# Altium PCB MB1367C-for mechanical-drawing.PcbDoc (part 3 of 5)
Units mm, origin at the board's own origin, x right, y up, seen from the top; angles counter-clockwise.
Board outline 70 x 82.5 mm, 4 copper layers (Top Layer, Signal Layer 1, Signal Layer 2, Bottom Layer), stack 1.614 mm thick; 191 components, 143 nets, 808 pads, 920 vias.
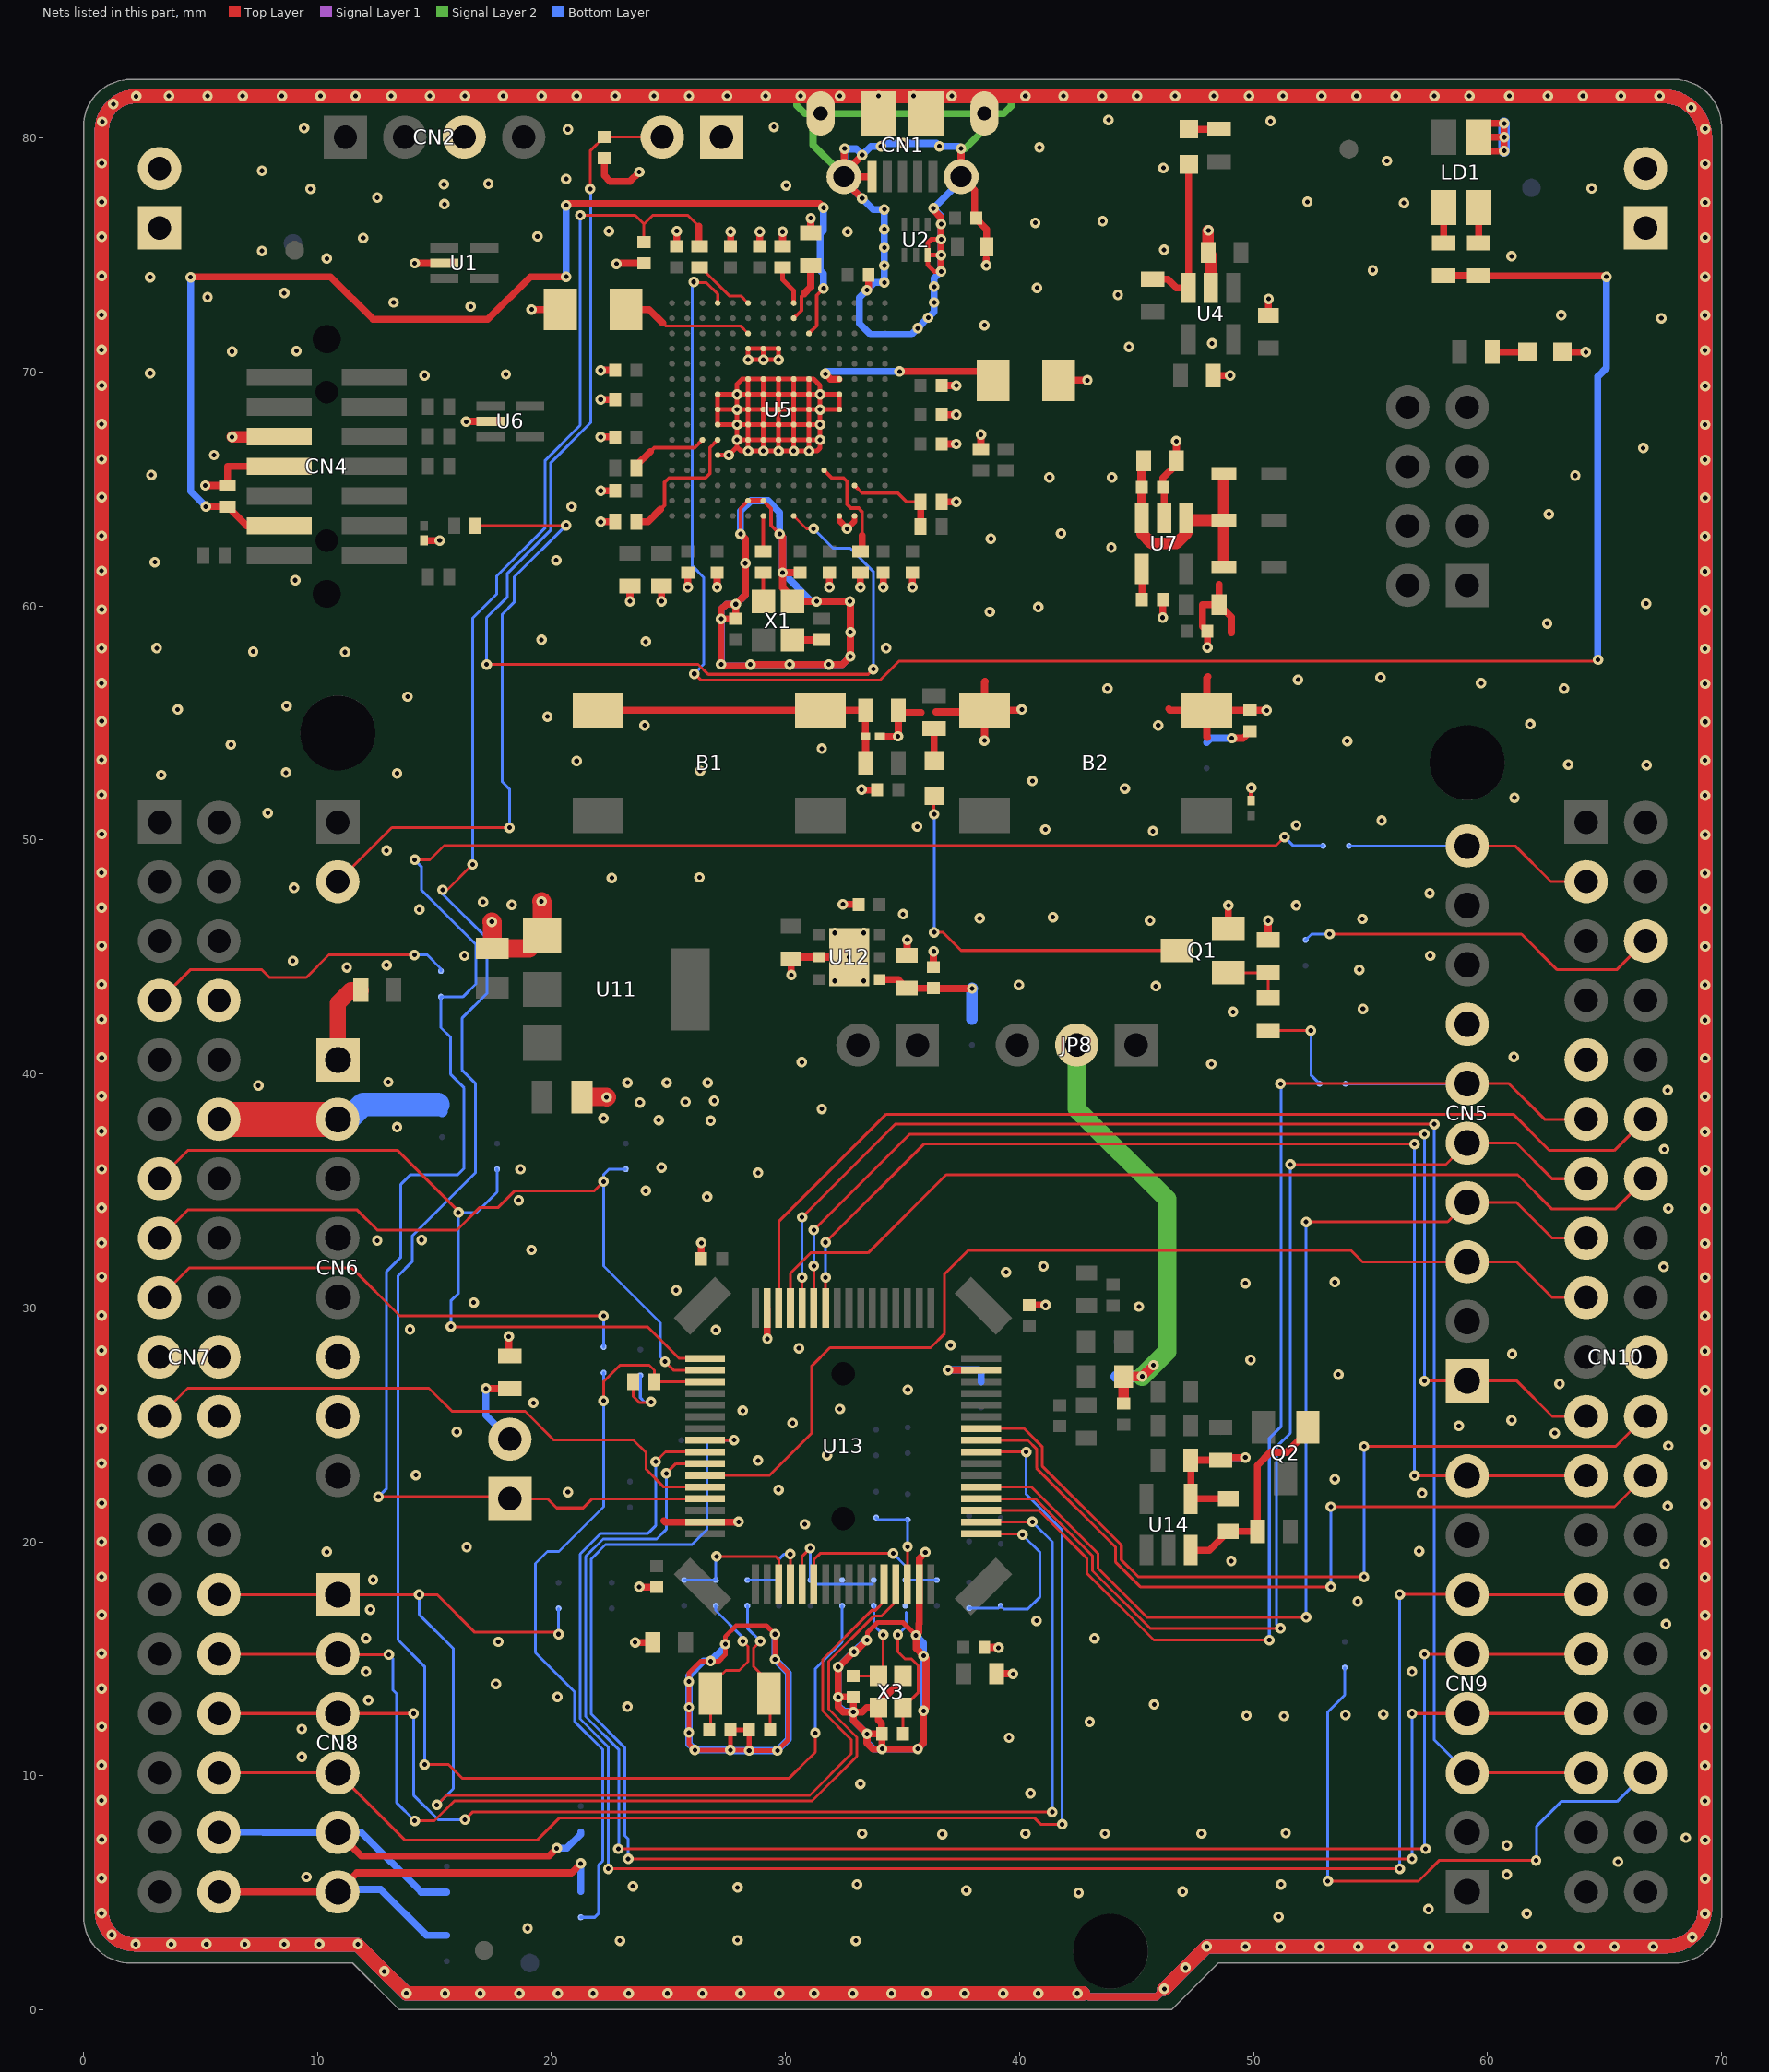
[diagram p5: the nets of this part, all layers, seen from the top]

## Via types
v1: diameter 0.45, hole 0.2, Top Layer to Bottom Layer, tented both sides, 920 vias

## Nets (pads, with @x,y where several pads share a name; then routed paths per layer and width w, separated by ;. In a path a pad name is that pad's centre, name@x,y a point inside that pad or via, vN(x,y) a via of type N, cw(c..) or ccw(c..) an arc to the next point about the centre after c; other vN are vias at no path point) (continued)
GND: B2.3 B2.4 C1.1 C2.1 C3.1 C4.1 C5.1 C6.1 C7.1 C8.1 C9.1 C10.1 C11.1 C12.1 C13.1 C14.1 C15.1 C16.1 C17.1 C18.1 C19.1 C20.1 C21.1 C22.1 C23.1 C24.1 C25.1 C26.1 C27.1 C28.1 C29.1 C30.1 C31.1 C32.1 C33.1 C34.1 C35.1 C36.1 C37.1 C38.1 C39.1 C40.1 C41.1 C42.1 C45.1 C52.1 C53.1 C54.1 C55.1 C56.1 C57.2 C58.2 C59.1 CN1.5 CN1.6 CN1.7 CN1.8 CN1.9 CN1.10 CN1.11 CN2.3 CN4.5 CN4.7 CN5.7 CN6.6 CN6.7 CN7.8 CN7.19 CN7.20 CN7.22 CN10.9 CN10.20 CN11.1 CN11.2 CN12.1 CN12.2 JP1.1 LD1.1 LD3.2 Q1.2 R5.1 R8.2 R11.1 R15.1 R16.2 R17.1 R21.1 R26.1 R28.1 R31.1 SB11.1 U1.2 U2.3 U3.2 U4.2 U5.D5 U5.D7 U5.D8 U5.D9 U5.F2 U5.F6 U5.F7 U5.F8 U5.F9 U5.F10 U5.F12 U5.G2 U5.G6 U5.G7 U5.G8 U5.G9 U5.G10 U5.G12 U5.H6 U5.H7 U5.H8 U5.H9 U5.H10 U5.H12 U5.J6 U5.J7 U5.J8 U5.J9 U5.J10 U5.K6 U5.K7 U5.K8 U5.K9 U5.K10 U5.M1 U5.M8 U5.M9 U5.N1 U6.2 U7.2 U8.2 U9.2 U10.2 U11.1 U12.2 U12.EP U13.15 U13.31 U13.47 U13.63 X1.2 X3.2 X3.4 | length 1507.3
  Top Layer w0.15: v1(28.075,63.075) 28.075,64.175 U5.F2@28.4,64.5 ; U5.G2@29.05,64.5 29.38,64.17 29.38,63.445 v1(29.75,63.075)
  Top Layer w0.2: U5.D5@27.1,66.45 v1(27.575,66.45) 27.925,66.8 ; v1(33.475,15.8) 33.5,15.825 33.5,16.125 33.93,16.555 35.02,16.555 v1(35.575,16) ; v1(36.65,74.3) 36.35,74.3 36.075,74.575 U2.3@36.075,75 ; v1@36.65,74.975 36.625,75 U2.3@36.075,75 ; v1(36.65,75.675) 36.225,75.675 36.075,75.525 U2.3@36.075,75 ; U10.2@49.895,51.677 49.895,52.22 v1(49.9,52.225) ; U5.D8@27.1,68.4 v1(27.925,68.4) ; U5.D8@27.1,68.4 U5.D7@27.1,67.75 v1(27.925,67.75) ; U5.D8@27.1,68.4 U5.D9@27.1,69.05 v1(27.925,69.05) ; v1(27.645,11.1) v1(26.125,11.1) 25.875,11.35 v1(25.875,11.85) v1(25.875,12.925) v1(25.875,14.025) 25.875,14.399 26.376,14.9 v1(26.8,14.9) 27.15,14.9 27.425,15.175 v1(27.425,15.625) 27.425,15.949 27.891,16.415 29.185,16.415 v1(29.55,16.05) v1(29.55,14.975) 30.105,14.42 30.105,11.53 v1(29.65,11.075) v1(28.445,11.075) ; v1(27.645,11.1) C57.2@27.645,11.965 C58.2@28.445,11.965 v1(28.445,11.075) ; v1(27.645,11.1) 28.42,11.1 v1(28.445,11.075) ; 27.925,66.8 v1(27.925,67.1) ; 27.925,66.8 28.1,66.625 v1(28.4,66.625) ; v1(27.925,67.1) U5.F6@28.4,67.1 ; v1(27.925,67.1) v1(27.925,67.75) ; v1(27.925,67.75) U5.F7@28.4,67.75 ; v1(27.925,67.75) v1(27.925,68.4) ; v1(27.925,68.4) U5.F8@28.4,68.4 ; v1(27.925,68.4) v1(27.925,69.05) ; v1(27.925,69.05) U5.F9@28.4,69.05 ; v1(27.925,69.05) 27.925,69.475 28.15,69.7 U5.F10@28.4,69.7 ; v1(28.4,66.625) U5.F6@28.4,67.1 ; v1(28.4,66.625) v1(29.05,66.625) ; U5.F6@28.4,67.1 U5.G6@29.05,67.1 ; U5.F6@28.4,67.1 U5.F7@28.4,67.75 ; U5.F7@28.4,67.75 U5.F8@28.4,68.4 ; U5.F7@28.4,67.75 U5.G7@29.05,67.75 ; U5.F8@28.4,68.4 U5.F9@28.4,69.05 ; U5.F8@28.4,68.4 U5.G8@29.05,68.4 ; U5.F9@28.4,69.05 U5.F10@28.4,69.7 ; U5.F9@28.4,69.05 U5.G9@29.05,69.05 ; U5.F10@28.4,69.7 U5.G10@29.05,69.7 ; v1(29.05,66.625) U5.G6@29.05,67.1 ; v1(29.05,66.625) v1(29.7,66.625) ; U5.G6@29.05,67.1 U5.H6@29.7,67.1 ; U5.G6@29.05,67.1 U5.G7@29.05,67.75 ; U5.G7@29.05,67.75 U5.G8@29.05,68.4 ; U5.G7@29.05,67.75 U5.H7@29.7,67.75 ; U5.G8@29.05,68.4 U5.G9@29.05,69.05 ; U5.G8@29.05,68.4 U5.H8@29.7,68.4 ; U5.G9@29.05,69.05 U5.G10@29.05,69.7 ; U5.G9@29.05,69.05 U5.H9@29.7,69.05 ; U5.G10@29.05,69.7 U5.H10@29.7,69.7 ; v1(29.05,70.525) U5.G12@29.05,71 ; v1(29.05,70.525) v1(29.7,70.525) U5.H12@29.7,71 U5.G12@29.05,71 ; v1(29.05,70.525) v1(28.4,70.525) U5.F12@28.4,71 U5.G12@29.05,71 ; v1(29.7,66.625) U5.H6@29.7,67.1 ; v1(29.7,66.625) v1(30.35,66.625) ; U5.H6@29.7,67.1 U5.J6@30.35,67.1 ; U5.H6@29.7,67.1 U5.H7@29.7,67.75 ; U5.H7@29.7,67.75 U5.H8@29.7,68.4 ; U5.H7@29.7,67.75 U5.J7@30.35,67.75 ; U5.H8@29.7,68.4 U5.H9@29.7,69.05 ; U5.H8@29.7,68.4 U5.J8@30.35,68.4 ; U5.H9@29.7,69.05 U5.H10@29.7,69.7 ; U5.H9@29.7,69.05 U5.J9@30.35,69.05 ; U5.H10@29.7,69.7 U5.J10@30.35,69.7 ; v1(30.35,66.625) U5.J6@30.35,67.1 ; v1(30.35,66.625) v1(31,66.625) ; U5.J6@30.35,67.1 U5.J7@30.35,67.75 ; U5.J6@30.35,67.1 U5.K6@31,67.1 ; U5.J7@30.35,67.75 U5.J8@30.35,68.4 ; U5.J7@30.35,67.75 U5.K7@31,67.75 ; U5.J8@30.35,68.4 U5.J9@30.35,69.05 ; U5.J8@30.35,68.4 U5.K8@31,68.4 ; U5.J9@30.35,69.05 U5.J10@30.35,69.7 ; U5.J9@30.35,69.05 U5.K9@31,69.05 ; U5.J10@30.35,69.7 U5.K10@31,69.7 ; v1(31,66.625) U5.K6@31,67.1 ; v1(31,66.625) 31.35,66.625 31.475,66.75 v1(31.475,67.1) ; U5.K6@31,67.1 v1(31.475,67.1) ; U5.K6@31,67.1 U5.K7@31,67.75 ; U5.K7@31,67.75 v1(31.475,67.75) ; U5.K7@31,67.75 U5.K8@31,68.4 ; U5.K8@31,68.4 U5.K9@31,69.05 ; U5.K8@31,68.4 v1(31.475,68.4) ; U5.K9@31,69.05 U5.K10@31,69.7 ; U5.K9@31,69.05 v1(31.475,69.05) ; U5.K10@31,69.7 31.2,69.7 31.475,69.425 v1(31.475,69.05) ; v1(31.475,67.1) v1(31.475,67.75) ; v1(31.475,67.75) v1(31.475,68.4) ; v1(31.475,68.4) U5.M8@32.3,68.4 U5.M9@32.3,69.05 v1(31.475,69.05) ; v1(31.475,68.4) v1(31.475,69.05)
  Top Layer w0.25: U5.F2@28.4,64.5 U5.G2@29.05,64.5 ; U5.M1@32.3,63.85 32.3,63.65 32.625,63.325 v1(32.625,63.3) 32.95,63.625 U5.N1@32.95,63.85
  Top Layer w0.3: v1(5.2,65.15) R15.1@6.15,65.15 6.15,65.965 CN4.7@8.363,65.965 ; v1(6.35,67.225) v1@6.36,67.235 ; 13.64,81.92 13.67,81.89 ; v1(14.15,74.65) U1.2@15.425,74.65 ; U8.2@14.545,62.802 15.222,62.802 v1(15.222,62.797) ; v1(16.35,67.875) 16.365,67.89 U6.2@17.395,67.89 ; v1(18.175,28.775) 18.175,27.99 R31.1@18.22,27.945 ; v1(19.15,72.675) C10.1@20.375,72.675 ; v1(22.1,63.6) R17.1@22.725,63.6 ; v1(22.1,64.925) C21.1@22.725,64.925 ; v1(22.1,67.225) C17.1@22.725,67.225 ; v1(22.1,68.825) C15.1@22.725,68.825 ; v1(22.1,70.075) C13.1@22.725,70.075 ; C1.1@22.25,79.15 22.25,78.4 22.5,78.15 23.35,78.15 v1(23.75,78.55) ; v1(22.775,74.625) 22.8,74.65 C3.1@23.95,74.65 ; v1(23.35,60.2) C28.1@23.35,60.85 ; v1(23.575,15.7) C53.1@24.325,15.7 ; v1(23.75,18.075) 23.76,18.065 C52.1@24.495,18.065 ; v1(24.7,60.2) C29.1@24.7,60.85 ; 24.8,20.9 24.86,20.84 27.99,20.84 v1(28,20.85) ; C6.1@25.35,75.375 v1(25.35,76.025) ; v1(25.825,60.8) C22.1@25.825,61.425 ; C42.1@26.395,32.09 26.395,32.77 v1(26.4,32.775) ; v1(27.075,60.8) C23.1@27.075,61.425 ; C7.1@27.65,75.375 v1(27.65,76) ; v1(28.075,63.075) 28.28,62.87 v1(28.28,61.83) 28.28,60.48 v1(27.875,60.075) ; C8.1@28.9,75.375 v1(28.9,76) ; U13.47@29.21,29.99 29.21,28.69 v1(29.225,28.675) ; v1(29.75,63.075) 29.875,62.95 v1(29.875,61.425) ; R5.1@29.875,75.375 v1(29.875,76) ; v1(30.25,44.225) 30.245,44.23 C37.1@30.245,44.915 30.32,44.99 U12.2@31.42,44.99 v1(32.72,44.99) ; C24.1@30.55,61.35 C24.1@30.625,61.425 v1(29.875,61.425) ; C4.1@31.075,75.95 v1(31.075,76.575) ; v1(31.875,60.8) C25.1@31.875,61.425 ; v1(32.45,47.25) 32.46,47.24 C36.1@33.12,47.24 ; v1(32.525,79.55) 32.5,79.525 CN1.7@32.5,78.5 ; v1(32.775,58.875) v1@32.77,58.88 ; v1(33.2,60.8) R21.1@33.2,61.425 ; v1(33.25,52.15) 33.26,52.14 C35.1@33.92,52.14 ; v1(33.275,77.425) 32.5,78.2 CN1.7@32.5,78.35 ; v1(33.275,79.275) CN1.7@32.5,78.5 ; v1(33.475,15.8) 32.975,15.3 v1(32.925,15.3) 32.275,14.65 v1(32.25,14.65) 32.255,14.645 v1(32.255,13.36) ; v1(33.475,73.5) 33.55,73.575 C9.1@33.55,74.15 ; CN1.5@33.7,78.35 CN1.7@32.5,78.35 ; U9.2@34.033,54.415 34.79,54.415 v1(34.805,54.43) 34.82,54.43 R26.1@34.82,55.54 34.91,55.45 35.8,55.45 ; v1(34.175,60.8) C26.1@34.175,61.425 ; X3.4@35.02,14.265 35.02,14.133 33.97,13.083 X3.2@33.97,12.915 ; C39.1@35.195,45.065 35.195,45.725 v1(35.205,45.735) ; v1(35.425,60.8) C27.1@35.425,61.425 ; v1@35.875,12.775 36.005,12.905 36.005,15.02 v1(35.9,15.125) 35.575,15.45 v1(35.575,16) 35.7,16.125 35.7,16.5 35.71,16.51 35.71,19.285 v1(35.975,19.55) ; v1(35.9,12.775) 35.9,11.4 v1(35.65,11.15) v1(34.125,11.15) ; C40.1@36.32,44.565 36.32,45.225 v1(36.33,45.235) ; v1(36.325,77) 36.325,76.925 36.65,76.6 v1(36.65,76.325) v1(36.65,75.675) v1(36.65,75) 36.65,74.975 v1(36.65,74.3) ; 36.425,55.475 38.43,55.475 B2.4@38.505,55.55 ; R16.2@36.675,64.45 v1(37.3,64.45) ; C18.1@36.675,66.925 v1(37.3,66.925) ; C16.1@36.675,68.175 v1(37.3,68.175) ; C14.1@36.675,69.425 v1(37.3,69.425) ; v1(36.945,27.35) 36.935,27.34 U13.31@38.36,27.34 ; v1(37.5,79.55) CN1.6@37.5,78.35 38.08,77.77 38.08,76.62 38.1,76.6 38.6,76.1 U3.2@38.6,75.35 ; R11.1@38.35,66.7 v1(38.35,67.325) ; C54.1@38.495,15.49 39.085,15.49 v1(39.1,15.475) ; v1(38.5,54.25) 38.505,54.255 B2.4@38.505,55.55 ; 38.525,56.775 38.505,56.755 B2.4@38.505,55.55 ; v1(38.58,74.555) 38.58,74.855 ; C55.1@39.02,14.365 39.715,14.365 39.725,14.375 v1(39.725,14.35) ; v1(40.1,55.575) 40.075,55.55 B2.4@38.505,55.55 ; C45.1@40.42,30.115 v1(41.115,30.115) ; C12.1@41.675,69.65 v1(42.9,69.65) ; 42.72,0.7 42.82,0.7 42.97,0.55 45.845,0.55 v1(46.185,0.89) ; v1(46.12,59.505) 46.13,59.505 C30.1@46.13,60.275 C30.1@46.18,60.325 ; U7.2@46.18,63.775 46.18,65.025 C20.1@46.13,65.075 46.13,65.48 46.705,66.055 C19.1@46.705,66.2 46.705,67.045 v1(46.7,67.05) ; 46.375,55.6 46.425,55.55 B2.3@48.005,55.55 ; 48.025,54.375 48.005,54.395 B2.3@48.005,55.55 ; v1(48.03,58.23) C33.1@48.03,58.925 47.825,59.13 47.825,60.05 C31.1@48.53,60.05 ; 48.05,56.975 48.005,56.93 B2.3@48.005,55.55 ; C5.1@48.06,75.12 C5.1@48.175,75.005 ; v1@48.06,76.035 v1(48.075,76.05) ; R8.2@48.285,69.845 48.995,69.845 v1(49,69.85) ; 48.525,60.925 48.53,60.92 C31.1@48.53,60.05 ; Q1.2@48.925,46.225 48.925,47.175 48.9,47.2 v1(48.925,47.2) ; 49.05,58.85 49.05,59.53 C31.1@48.53,60.05 ; v1(50.565,55.54) C34.1@49.845,55.54 49.835,55.55 B2.3@48.005,55.55 ; R28.1@50.625,45.725 v1(50.625,46.55) ; C11.1@50.635,72.42 50.635,73.135 v1(50.645,73.125) ; LD1.1@59.62,80.04 v1@60.71,80.04 ; LD1.1@59.65,79.45 v1(60.71,79.45) v1@60.71,80.04 ; LD1.1@59.65,80.625 v1(60.71,80.625) v1@60.71,80.04 ; v1(60.715,80.04) v1@60.71,80.04 ; LD3.2@63.2,70.85 v1(64.2,70.85) ; v1(27.25,59.45) 27.25,57.504 v1(27.251,57.503) 27.324,57.43 28.405,57.43 28.475,57.5 v1(28.5,57.5) v1(30.175,57.5) v1(31.85,57.5) 32.425,57.5 v1(32.77,57.845) v1@32.77,58.88 ; v1(27.25,59.45) 27.25,59.85 27.475,60.075 v1(27.875,60.075) ; v1(27.25,59.45) C32.1@27.875,59.45 v1(27.875,60.075) ; v1(29.875,61.425) 29.875,60.775 30.3,60.35 X1.2@30.3,60.2 v1(31.325,60.2) v1(32.75,60.2) 32.77,60.18 v1@32.77,58.88 ; v1(32.255,13.36) 32.26,13.365 C56.1@32.895,13.365 v1@32.895,12.73 ; v1(32.255,13.36) 32.255,12.945 32.475,12.725 v1@32.895,12.725 ; CN1.7@32.5,78.35 CN1.7@32.5,78.5 ; v1@32.895,12.725 v1(32.9,12.725) ; v1@32.895,12.725 32.895,12.37 v1(33.48,11.785) ; v1@32.895,12.725 v1@32.895,12.73 ; v1@32.895,12.73 v1(32.9,12.725) ; v1(32.9,12.725) 33.275,12.725 33.465,12.915 X3.2@33.97,12.915 ; v1(33.48,11.785) 33.485,11.79 C59.1@34.12,11.79 ; v1(33.48,11.785) 33.48,11.395 33.725,11.15 v1(34.125,11.15) ; X3.2@33.97,12.915 33.97,12.38 34.1,12.25 34.1,11.81 C59.1@34.12,11.79 ; C59.1@34.12,11.79 34.12,11.155 v1(34.125,11.15)
  Top Layer w0.5: v1@6.36,67.235 CN4.5@8.363,67.235 ; C5.1@48.06,75.12 v1@48.06,76.035 ; U4.2@48.175,73.595 C5.1@48.175,75.005
  Top Layer w0.6: 42.72,0.7 13.79,0.7 v1(12.85,1.64) 11.713,2.777 2.22,2.777 cw(c2.22,4.22) 0.777,4.22 v1(0.777,78.925) 0.777,80.315 cw(c2.252,80.315) v1(2.252,81.79) 13.67,81.79 67.502,81.79 cw(c67.502,79.997) 69.295,79.997 69.295,4.34 cw(c67.655,4.34) 67.655,2.7 47.995,2.7 v1(47.09,1.795) v1(46.185,0.89)
  Top Layer w0.8: v1(17.45,46.5) 17.47,46.48 C38.1@17.47,45.365 19.045,45.365 U11.1@19.595,45.915 19.595,47.355 v1(19.575,47.375) ; C41.1@21.295,39.015 22.335,39.015 v1(22.35,39)
  Signal Layer 1 w0.3: 13.64,81.92 13.67,81.89 ; 42.72,0.7 42.82,0.7 42.97,0.55 45.845,0.55 v1(46.185,0.89)
  Signal Layer 1 w0.6: 13.67,81.8 13.67,81.79 ; 42.72,0.7 13.79,0.7 v1(12.85,1.64) 11.713,2.777 2.22,2.777 cw(c2.22,4.22) 0.777,4.22 v1(0.777,78.925) 0.777,80.315 cw(c2.252,80.315) v1(2.252,81.79) 13.67,81.79 ; v1(46.185,0.89) v1(47.09,1.795) 47.995,2.7 67.655,2.7 ccw(c67.655,4.34) 69.295,4.34 69.295,79.997 ccw(c67.502,79.997) 67.502,81.79 13.67,81.79
  Signal Layer 2 w0.3: v1(27.251,57.503) v1(27.251,57.503) ; v1(28.5,57.5) v1(30.175,57.5) ; v1@30.475,81.79 30.475,81.4 30.825,81.05 CN1.8@31.5,81.05 ; CN1.7@32.5,78.35 32.5,78.375 31.175,79.7 31.175,80.725 CN1.8@31.5,81.05 ; v1(37.5,79.55) 37.675,79.55 38.5,80.375 CN1.9@38.5,81.05 ; 39.65,81.79 39.65,81.375 39.325,81.05 CN1.9@38.5,81.05 ; 42.72,0.7 42.82,0.7 42.97,0.55 45.845,0.55 v1(46.185,0.89) ; CN1.8@31.5,81.05 CN1.9@38.5,81.05
  Signal Layer 2 w0.6: 42.72,0.7 13.79,0.7 v1(12.85,1.64) 11.713,2.777 2.22,2.777 cw(c2.22,4.22) 0.777,4.22 v1(0.777,78.925) 0.777,80.315 cw(c2.252,80.315) v1(2.252,81.79) 13.67,81.79 30.475,81.79 39.65,81.79 67.502,81.79 cw(c67.502,79.997) 69.295,79.997 69.295,4.34 cw(c67.655,4.34) 67.655,2.7 47.995,2.7 v1(47.09,1.795) v1(46.185,0.89)
  Bottom Layer w0.3: 13.64,81.92 13.67,81.89 ; v1(27.425,15.625) 27.425,15.525 v1(26.8,14.9) 26.5,14.9 25.875,14.275 v1(25.875,14.025) v1(25.875,12.925) v1(25.875,11.85) 25.875,11.35 v1(26.125,11.1) v1(27.645,11.1) 27.67,11.075 v1(28.445,11.075) v1(29.65,11.075) 30.125,11.55 30.125,14.4 v1(29.55,14.975) v1(29.55,16.05) ; v1@28.05,63.075 28.28,62.845 v1(28.28,61.83) 28.28,60.48 v1(27.875,60.075) 27.475,60.075 27.25,59.85 v1(27.25,59.45) 27.251,59.449 v1(27.251,57.503) 27.324,57.43 28.43,57.43 v1(28.5,57.5) v1(30.175,57.5) v1(31.85,57.5) 32.425,57.5 v1(32.77,57.845) 32.775,57.85 v1(32.775,58.875) 32.775,60.175 v1(32.75,60.2) v1(31.325,60.2) 31.1,60.2 v1(29.875,61.425) 29.875,62.95 v1(29.75,63.075) 29.75,64 29.25,64.5 28.525,64.5 28.075,64.05 v1(28.075,63.075) ; v1@32.513,79.538 v1@32.525,79.538 ; v1(32.525,79.55) v1@32.525,79.538 ; v1(33.475,15.8) 33.425,15.8 v1(32.925,15.3) 32.9,15.3 v1(32.25,14.65) 32.255,14.645 v1(32.255,13.36) 32.255,12.995 32.5,12.75 32.875,12.75 v1(32.9,12.725) 32.9,12.365 v1(33.48,11.785) 33.48,11.445 33.775,11.15 v1(34.125,11.15) v1(35.65,11.15) 35.9,11.4 v1(35.9,12.775) v1(35.9,15.125) 35.9,15.675 v1(35.575,16) ; v1(36.945,27.35) 38.25,27.35 38.36,27.24 SB11.1@38.36,26.84 ; 42.72,0.7 42.82,0.7 42.97,0.55 45.845,0.55 v1(46.185,0.89) ; v1@32.525,79.538 32.525,78.375 CN1.7@32.5,78.35 32.5,78.2 v1(33.275,77.425) 33.75,76.95 v1(34.225,76.95) v1(34.225,76.1) v1(34.225,75.325) v1(34.225,74.55) v1(34.225,73.825) 33.8,73.825 v1(33.475,73.5) 33.15,73.175 33.15,72.075 33.625,71.6 35.375,71.6 v1(35.65,71.875) v1(36.1,72.325) 36.35,72.575 v1(36.35,72.975) v1(36.35,73.65) 36.35,74 v1(36.65,74.3) v1(36.65,75) v1(36.65,75.675) v1(36.65,76.325) 36.65,76.675 v1(36.325,77) 37.5,78.175 CN1.6@37.5,78.35 v1(37.5,79.55) 37.4,79.65 v1(36.575,79.65) 36.45,79.775 v1(35.025,79.775) 34.2,79.775 v1(34.075,79.65) 33.65,79.65 v1(33.275,79.275) 33.012,79.538 v1@32.525,79.538
  Bottom Layer w0.5: v1(60.71,79.45) v1(60.71,80.625)
  Bottom Layer w0.6: 42.72,0.7 13.79,0.7 v1(12.85,1.64) 11.713,2.777 2.22,2.777 cw(c2.22,4.22) 0.777,4.22 v1(0.777,78.925) 0.777,80.315 cw(c2.252,80.315) v1(2.252,81.79) 13.67,81.79 67.502,81.79 cw(c67.502,79.997) 69.295,79.997 69.295,4.34 cw(c67.655,4.34) 67.655,2.7 47.995,2.7 v1(47.09,1.795) v1(46.185,0.89)
  other v1: 13.8,0.7 15.45,0.698 16.95,0.698 18.625,0.698 20.275,0.696 21.775,0.696 23.3,0.698 24.95,0.696 26.45,0.696 28.075,0.698 29.725,0.696 31.225,0.696 32.875,0.698 34.525,0.696 36.025,0.696 37.65,0.698 39.3,0.696 40.8,0.696 42.475,0.698 48,2.7 49.65,2.698 51.15,2.698 52.825,2.698 54.475,2.696 55.975,2.696 57.5,2.698 59.15,2.696 60.65,2.696 62.275,2.698 63.925,2.696 65.425,2.696 67.075,2.698 2.225,2.802 3.75,2.804 5.25,2.804 6.9,2.802 8.575,2.802 10.075,2.802 11.725,2.8 22.925,2.95 33,2.95 27.95,2.975 68.75,3.1 1.2,3.2 18.975,3.475 51.075,3.975 61.675,4.1 69.296,4.1 0.773,4.125 57.475,4.3 42.525,5 46.975,5.05 37.725,5.1 27.95,5.225 23.475,5.275 33.05,5.35 51.175,5.35 69.296,5.6 0.773,5.625 9.525,5.675 60.825,5.775 65.575,6.325 60.825,7.025 69.298,7.25 0.775,7.275 68.475,7.35 36.7,7.5 33.275,7.525 40.25,7.525 43.65,7.525 47.775,7.525 51.375,7.55 69.296,8.925 0.773,8.95 40.475,9.25 33.2,9.65 69.296,10.425 0.773,10.45 9.325,10.8 39.55,11.625 9.325,12 69.298,12.075 0.775,12.1 43,12.3 51.3,12.55 49.7,12.575 53.925,12.6 55.55,12.625 23.25,12.95 45.75,13.05 12.175,13.225 20.25,13.375 69.296,13.7 0.773,13.725 17.625,13.925 12.075,14.45 56.775,14.45 69.296,15.2 0.773,15.225 17.725,15.725 12.075,15.875 43.2,15.875 67.625,16.475 40.725,16.625 69.298,16.85 0.775,16.875 12.25,17.1 54.45,17.45 12.375,18.375 69.296,18.475 0.773,18.5 67.575,19.05 49.05,19.175 10.4,19.575 57.075,19.6 16.375,19.775 69.296,19.975 0.773,20 30.825,20.75 67.7,21.525 69.298,21.625 0.775,21.65 57.2,22.075 20.7,22.125 29.7,22.225 53.475,22.675 14.2,22.85 69.296,23.325 0.773,23.35 28.825,23.475 31.775,23.7 67.725,24.1 62.875,24.65 15.95,24.7 69.296,24.825 0.773,24.85 58.775,24.95 30.3,25.075 61.025,25.2 28.175,25.6 32.325,25.675 19.225,25.94 69.298,26.475 0.775,26.5 35.225,26.5 63.075,26.75 53.625,27.15 49.875,27.775 61.05,28.025 69.296,28.15 0.773,28.175 30.575,28.275 37.05,28.4 27.025,29.05 13.95,29.075 69.296,29.65 0.773,29.675 45.1,30.05 16.675,30.225 25.325,30.75 49.65,31.05 53.475,31.1 69.298,31.3 0.775,31.325 39.425,31.525 67.525,31.75 41.025,31.775 19.15,32.475 69.296,32.75 0.773,32.775 12.55,32.875 14.45,32.9 67.725,34.25 69.296,34.25 0.773,34.275 18.6,34.6 26.65,34.75 24.025,35 28.825,35.775 69.298,35.9 0.775,35.925 18.675,35.925 24.7,36 67.55,36.775 69.296,37.525 0.773,37.55 13.4,37.725 26.8,38 24.575,38.025 22.225,38.1 31.55,38.5 23.775,38.775 25.725,38.8 26.95,38.85 69.296,39.025 0.773,39.05 67.7,39.3 7.475,39.5 23.25,39.625 24.925,39.625 26.675,39.625 13.025,39.65 48.2,40.425 30.7,40.5 69.298,40.675 0.775,40.7 61.125,40.725 69.296,42.3 0.773,42.325 49.125,42.65 54.675,42.775 45.825,43.75 39.975,43.8 69.296,43.8 0.773,43.825 32.1,43.975 33.35,43.975 54.525,44.45 11.25,44.55 12.95,44.65 8.95,44.825 16.275,45.05 57.55,45.05 69.298,45.45 0.775,45.475 32.1,46.025 33.35,46.025 45.575,46.55 54.65,46.625 38.3,46.65 41.425,46.7 35.025,46.825 14.35,47.025 69.296,47.075 0.773,47.1 51.825,47.2 18.3,47.225 17.075,47.35 57.525,47.725 9,47.95 22.575,48.375 26.325,48.4 69.296,48.575 0.773,48.6 12.95,49.55 69.298,50.225 0.775,50.25 45.7,50.375 41.1,50.45 35.625,50.575 51.825,50.625 55.475,50.825 7.875,51.15 61.15,51.8 69.296,51.9 0.773,51.925 44.5,52.2 40.55,52.525 3.325,52.775 13.4,52.85 8.65,52.875 26.35,52.95 66.8,53.2 63.45,53.225 21.075,53.375 69.296,53.4 0.773,53.425 31.55,53.9 6.3,54.075 54,54.225 23.975,54.9 45.925,54.9 61.825,54.95 69.298,55.05 0.775,55.075 19.825,55.275 4.025,55.575 8.675,55.725 13.85,56.125 43.75,56.475 63.275,56.475 69.296,56.675 0.773,56.7 59.725,56.7 51.9,56.85 55.425,56.95 11.175,58.025 7.25,58.05 69.296,58.175 0.773,58.2 3.125,58.2 34.3,58.2 24.025,58.475 19.575,58.55 62.55,59.25 38.725,59.75 69.298,59.825 0.775,59.85 40.8,59.95 66.775,60.1 9.05,61.1 69.296,61.475 0.773,61.5 3.05,61.875 20.2,61.95 43.925,62.5 38.775,62.875 69.296,62.975 0.773,63 41.775,63.1 62.625,63.925 20.85,64.25 69.298,64.625 0.775,64.65 41.275,65.5 43.95,65.5 63.75,65.575 2.9,65.6 69.296,66.25 0.773,66.275 5.575,66.45 66.65,66.75 69.296,67.75 0.773,67.775 69.298,69.4 0.775,69.425 14.575,69.85 18.05,69.9 2.85,69.95 6.35,70.875 9.1,70.9 69.296,70.925 0.773,70.95 44.675,71.075 48.225,71.225 38.5,72 67.425,72.3 63.15,72.425 69.296,72.425 0.773,72.45 16.55,72.8 13.25,72.975 5.3,73.2 44.2,73.3 8.575,73.375 40.75,73.6 2.85,74.05 69.298,74.075 0.775,74.1 55.1,74.35 10.4,74.85 61.025,74.95 7.625,75.175 46.175,75.225 11.95,75.725 69.298,75.75 0.775,75.775 19.4,75.8 32.65,76 22.45,76.025 40.675,76.375 43.55,76.45 15.425,77.175 56.425,77.225 69.298,77.25 0.775,77.275 52.3,77.275 12.55,77.45 9.7,77.825 64.45,77.85 30.025,77.975 15.4,78.025 17.3,78.05 20.625,78.25 7.625,78.6 46.15,78.725 69.3,78.9 55.7,79.025 40.85,79.6 20.7,80.375 69.3,80.4 9.425,80.425 29.5,80.475 0.8,80.7 50.725,80.725 43.8,80.775 68.7,81.3 1.275,81.45 3.65,81.8 5.3,81.798 6.8,81.798 8.475,81.798 10.125,81.796 11.625,81.796 13.15,81.798 14.8,81.796 16.3,81.796 17.925,81.798 19.575,81.796 21.075,81.796 22.725,81.798 24.375,81.796 25.875,81.796 27.5,81.798 29.15,81.796 30.65,81.796 32.325,81.798 33.975,81.796 35.475,81.796 37.1,81.798 40.25,81.796 41.875,81.798 43.525,81.796 45.025,81.796 46.65,81.798 48.3,81.796 49.8,81.796 51.25,81.798 52.9,81.796 54.4,81.796 56.075,81.798 57.725,81.796 59.225,81.796 60.925,81.798 62.575,81.796 64.075,81.796 65.7,81.798 67.35,81.796